# Altium PCB miniBackplane.PcbDoc (part 1 of 24) (continued)
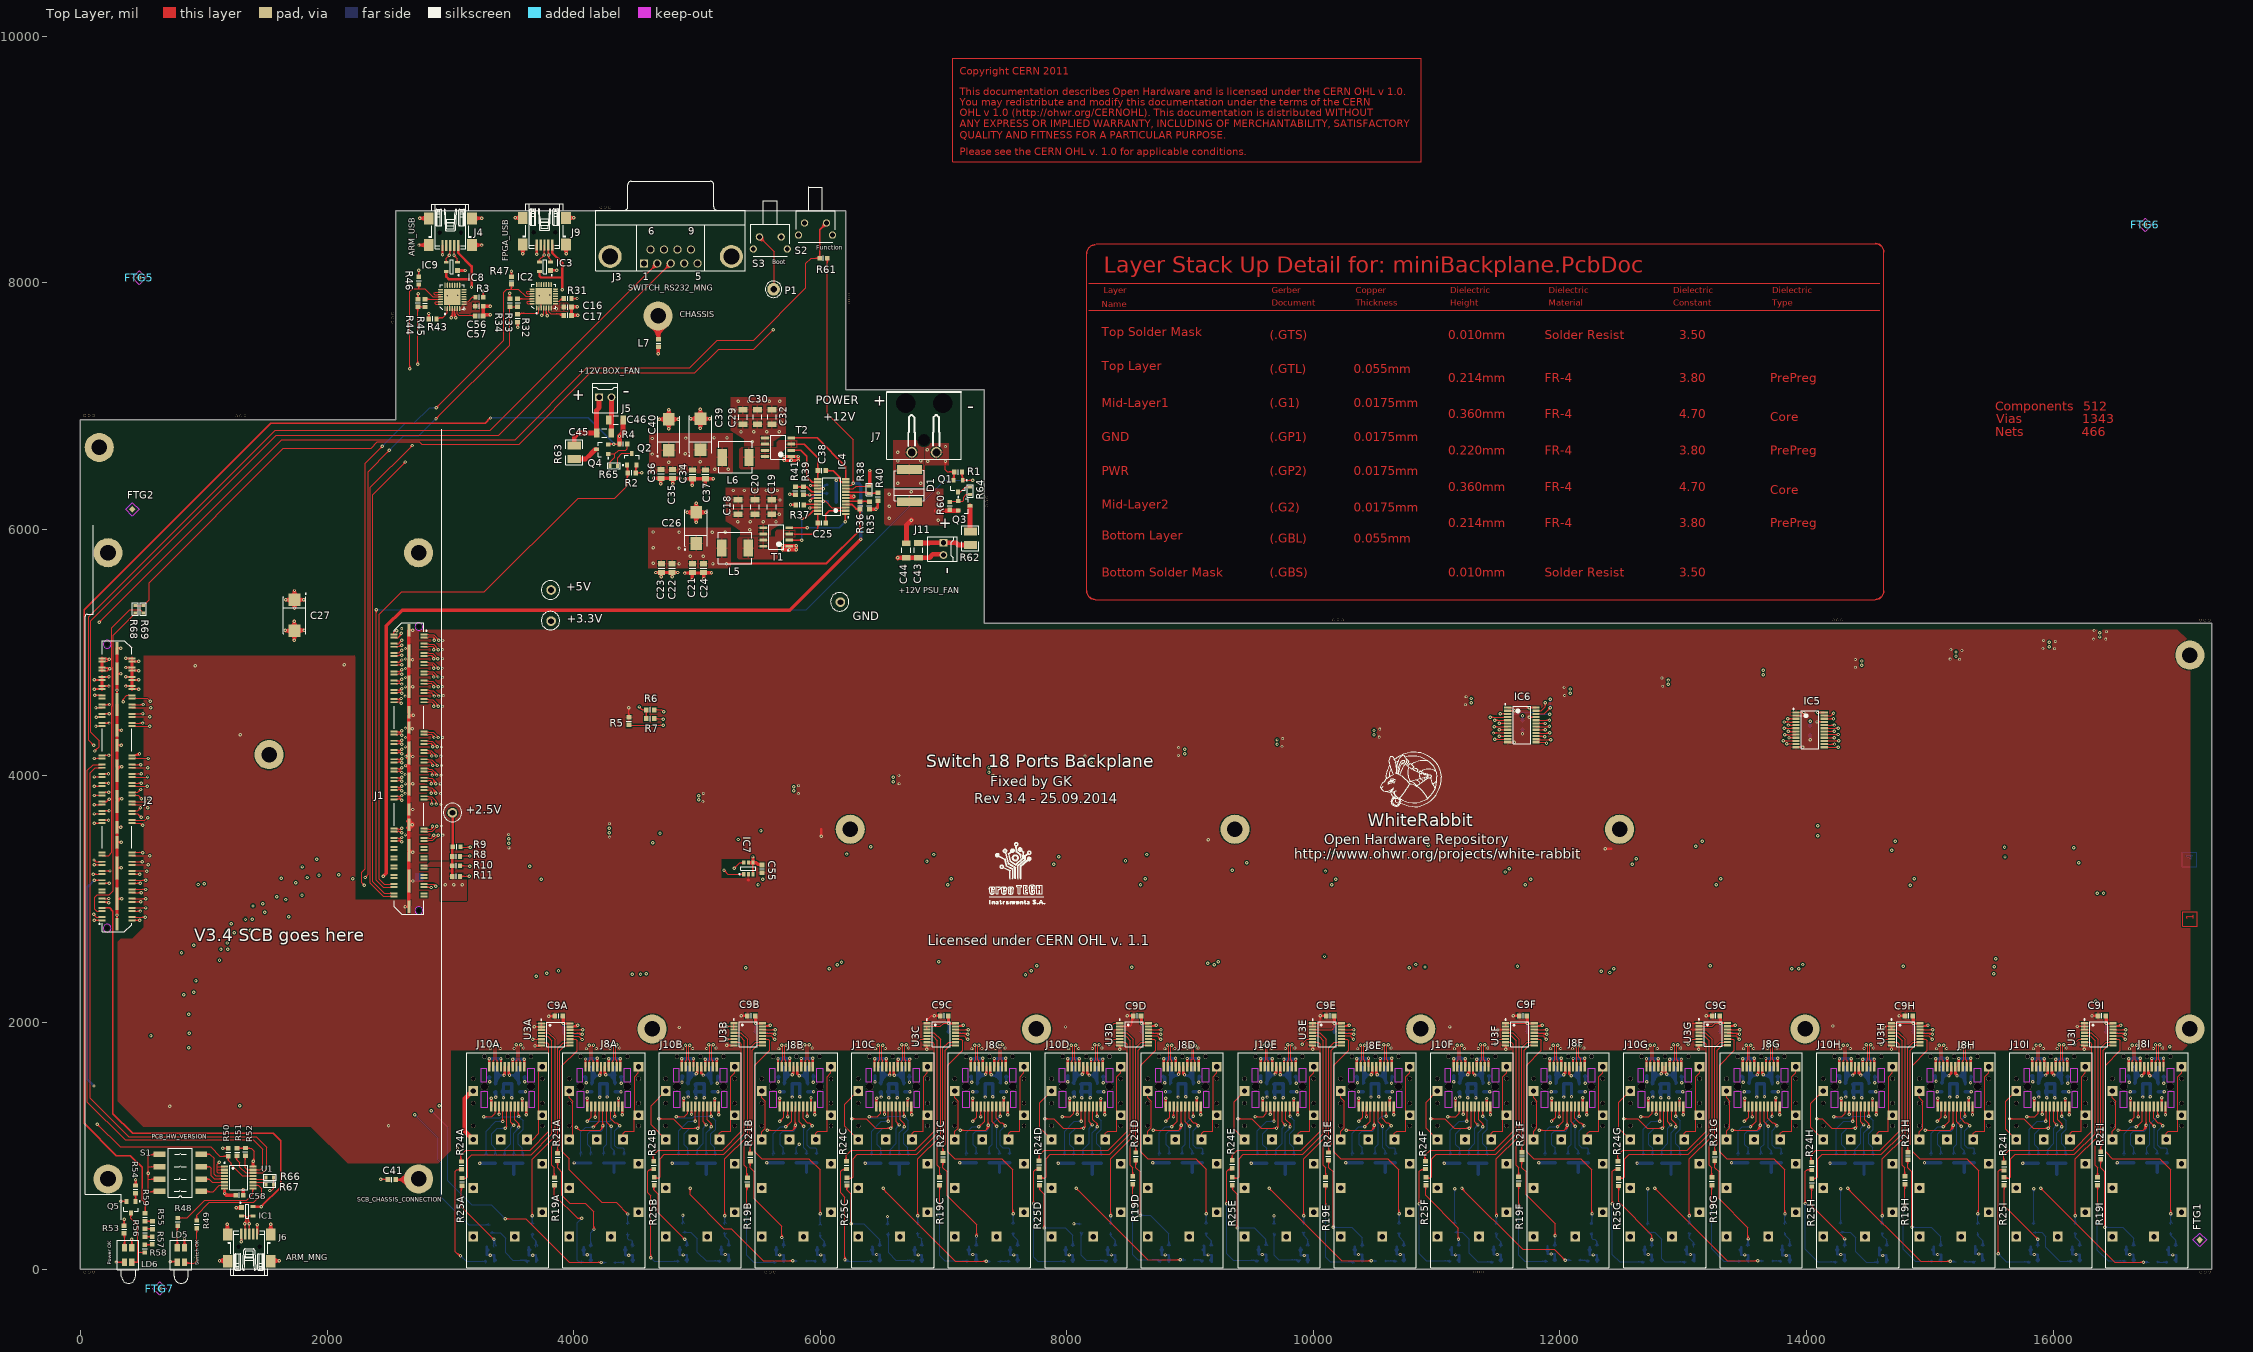
[diagram p0: Top Layer view]
## Components (designator, comment, footprint, x,y, rotation, side; value= is the part's Value field where it differs from the comment)
C1 "100nF" CC1608-0603 14029.09,4368.54 r90 bottom
C2 "100nF" CC1608-0603 11696.57,4412.91 r90 bottom
C3A "100nF" CC1608-0603 4144.67,1676.96 r270 bottom (schematic designator C3)
C3B "100nF" CC1608-0603 5706.13,1678.61 r270 bottom (schematic designator C3)
C3C "100nF" CC1608-0603 7271.13,1678.62 r270 bottom (schematic designator C3)
C3D "100nF" CC1608-0603 8836.13,1678.62 r270 bottom (schematic designator C3)
C3E "100nF" CC1608-0603 10401.13,1678.62 r270 bottom (schematic designator C3)
C3F "100nF" CC1608-0603 11965.69,1678.62 r270 bottom (schematic designator C3)
C3G "100nF" CC1608-0603 13530.69,1678.62 r270 bottom (schematic designator C3)
C3H "100nF" CC1608-0603 15095.69,1678.62 r270 bottom (schematic designator C3)
C3I "100nF" CC1608-0603 16660.69,1678.62 r270 bottom (schematic designator C3)
C4A "10uF" CC2012-0805 4129.94,1573.15 r180 bottom (schematic designator C4)
C4B "10uF" CC2012-0805 5697.26,1574.8 r180 bottom (schematic designator C4)
C4C "10uF" CC2012-0805 7260.25,1574.81 r180 bottom (schematic designator C4)
C4D "10uF" CC2012-0805 8823.24,1574.81 r180 bottom (schematic designator C4)
C4E "10uF" CC2012-0805 10386.24,1574.81 r180 bottom (schematic designator C4)
C4F "10uF" CC2012-0805 11952.73,1574.81 r180 bottom (schematic designator C4)
C4G "10uF" CC2012-0805 13515.72,1574.81 r180 bottom (schematic designator C4)
C4H "10uF" CC2012-0805 15078.72,1578.75 r180 bottom (schematic designator C4)
C4I "10uF" CC2012-0805 16646.71,1578.75 r180 bottom (schematic designator C4)
C5A "100nF" CC1608-0603 4179.67,1436.96 r180 bottom (schematic designator C5)
C5B "100nF" CC1608-0603 5741.13,1438.61 r180 bottom (schematic designator C5)
C5C "100nF" CC1608-0603 7306.13,1438.62 r180 bottom (schematic designator C5)
C5D "100nF" CC1608-0603 8871.13,1438.62 r180 bottom (schematic designator C5)
C5E "100nF" CC1608-0603 10436.13,1438.62 r180 bottom (schematic designator C5)
C5F "100nF" CC1608-0603 12000.69,1438.62 r180 bottom (schematic designator C5)
C5G "100nF" CC1608-0603 13565.69,1438.62 r180 bottom (schematic designator C5)
C5H "100nF" CC1608-0603 15130.69,1438.62 r180 bottom (schematic designator C5)
C5I "100nF" CC1608-0603 16695.69,1438.62 r180 bottom (schematic designator C5)
C6A "100nF" CC1608-0603 4329.67,1671.96 r90 bottom (schematic designator C6)
C6B "100nF" CC1608-0603 5891.13,1673.61 r90 bottom (schematic designator C6)
C6C "100nF" CC1608-0603 7456.13,1673.62 r90 bottom (schematic designator C6)
C6D "100nF" CC1608-0603 9021.13,1673.62 r90 bottom (schematic designator C6)
C6E "100nF" CC1608-0603 10586.13,1673.62 r90 bottom (schematic designator C6)
C6F "100nF" CC1608-0603 12150.69,1673.62 r90 bottom (schematic designator C6)
C6G "100nF" CC1608-0603 13715.69,1673.62 r90 bottom (schematic designator C6)
C6H "100nF" CC1608-0603 15280.69,1673.62 r90 bottom (schematic designator C6)
C6I "100nF" CC1608-0603 16845.69,1673.62 r90 bottom (schematic designator C6)
C7A "10uF" CC1608-0603 4304.67,1436.96 r0 bottom (schematic designator C7)
C7B "10uF" CC1608-0603 5866.13,1438.61 r0 bottom (schematic designator C7)
C7C "10uF" CC1608-0603 7431.13,1438.62 r0 bottom (schematic designator C7)
C7D "10uF" CC1608-0603 8996.13,1438.62 r0 bottom (schematic designator C7)
C7E "10uF" CC1608-0603 10561.13,1438.62 r0 bottom (schematic designator C7)
C7F "10uF" CC1608-0603 12125.69,1438.62 r0 bottom (schematic designator C7)
C7G "10uF" CC1608-0603 13690.69,1438.62 r0 bottom (schematic designator C7)
C7H "10uF" CC1608-0603 15255.69,1438.62 r0 bottom (schematic designator C7)
C7I "10uF" CC1608-0603 16820.69,1438.62 r0 bottom (schematic designator C7)
C8A "10uF" CC2012-0805 4350.41,1573.15 r180 bottom (schematic designator C8)
C8B "10uF" CC2012-0805 5909.86,1578.74 r180 bottom (schematic designator C8)
C8C "10uF" CC2012-0805 7472.85,1574.81 r180 bottom (schematic designator C8)
C8D "10uF" CC2012-0805 9039.78,1574.81 r180 bottom (schematic designator C8)
C8E "10uF" CC2012-0805 10602.77,1574.81 r180 bottom (schematic designator C8)
C8F "10uF" CC2012-0805 12169.27,1578.75 r180 bottom (schematic designator C8)
C8G "10uF" CC2012-0805 13732.26,1574.81 r180 bottom (schematic designator C8)
C8H "10uF" CC2012-0805 15299.19,1574.81 r180 bottom (schematic designator C8)
C8I "10uF" CC2012-0805 16863.24,1574.81 r180 bottom (schematic designator C8)
C9A "100nF" CC1608-0603 3879.67,2051.96 r180 top (schematic designator C9)
C9B "100nF" CC1608-0603 5441.13,2053.61 r180 top (schematic designator C9)
C9C "100nF" CC1608-0603 7006.13,2053.62 r180 top (schematic designator C9)
C9D "100nF" CC1608-0603 8571.13,2053.62 r180 top (schematic designator C9)
C9E "100nF" CC1608-0603 10136.13,2053.62 r180 top (schematic designator C9)
C9F "100nF" CC1608-0603 11700.69,2053.62 r180 top (schematic designator C9)
C9G "100nF" CC1608-0603 13265.69,2053.62 r180 top (schematic designator C9)
C9H "100nF" CC1608-0603 14830.69,2053.62 r180 top (schematic designator C9)
C9I "100nF" CC1608-0603 16395.69,2053.62 r180 top (schematic designator C9)
C10A "100nF" CC1608-0603 3364.67,1671.96 r270 bottom (schematic designator C10)
C10B "100nF" CC1608-0603 4926.13,1673.61 r270 bottom (schematic designator C10)
C10C "100nF" CC1608-0603 6491.13,1673.62 r270 bottom (schematic designator C10)
C10D "100nF" CC1608-0603 8056.13,1673.62 r270 bottom (schematic designator C10)
C10E "100nF" CC1608-0603 9621.13,1673.62 r270 bottom (schematic designator C10)
C10F "100nF" CC1608-0603 11185.02,1681.11 r270 bottom (schematic designator C10)
C10G "100nF" CC1608-0603 12750.69,1673.62 r270 bottom (schematic designator C10)
C10H "100nF" CC1608-0603 14315.69,1673.62 r270 bottom (schematic designator C10)
C10I "100nF" CC1608-0603 15880.69,1673.62 r270 bottom (schematic designator C10)
C11A "10uF" CC2012-0805 3350.41,1569.21 r180 bottom (schematic designator C11)
C11B "10uF" CC2012-0805 4917.73,1574.8 r180 bottom (schematic designator C11)
C11C "10uF" CC2012-0805 6480.72,1574.81 r180 bottom (schematic designator C11)
C11D "10uF" CC2012-0805 8043.72,1574.81 r180 bottom (schematic designator C11)
C11E "10uF" CC2012-0805 9610.65,1574.81 r180 bottom (schematic designator C11)
C11F "10uF" CC2012-0805 11173.2,1582.68 r180 bottom (schematic designator C11)
C11G "10uF" CC2012-0805 12740.13,1574.81 r180 bottom (schematic designator C11)
C11H "10uF" CC2012-0805 14299.19,1578.75 r180 bottom (schematic designator C11)
C11I "10uF" CC2012-0805 15867.18,1578.75 r180 bottom (schematic designator C11)
C12A "100nF" CC1608-0603 3394.67,1436.96 r180 bottom (schematic designator C12)
C12B "100nF" CC1608-0603 4956.13,1438.61 r180 bottom (schematic designator C12)
C12C "100nF" CC1608-0603 6521.13,1438.62 r180 bottom (schematic designator C12)
C12D "100nF" CC1608-0603 8086.13,1438.62 r180 bottom (schematic designator C12)
C12E "100nF" CC1608-0603 9651.13,1438.62 r180 bottom (schematic designator C12)
C12F "100nF" CC1608-0603 11215.69,1438.62 r180 bottom (schematic designator C12)
C12G "100nF" CC1608-0603 12780.69,1438.62 r180 bottom (schematic designator C12)
C12H "100nF" CC1608-0603 14345.69,1438.62 r180 bottom (schematic designator C12)
C12I "100nF" CC1608-0603 15910.69,1438.62 r180 bottom (schematic designator C12)
C13A "100nF" CC1608-0603 3555.13,1671.96 r90 bottom (schematic designator C13)
C13B "100nF" CC1608-0603 5116.13,1668.61 r90 bottom (schematic designator C13)
C13C "100nF" CC1608-0603 6678.15,1675.2 r90 bottom (schematic designator C13)
C13D "100nF" CC1608-0603 8246.13,1668.62 r90 bottom (schematic designator C13)
C13E "100nF" CC1608-0603 9811.13,1668.62 r90 bottom (schematic designator C13)
C13F "100nF" CC1608-0603 11373.99,1677.17 r90 bottom (schematic designator C13)
C13G "100nF" CC1608-0603 12940.69,1668.62 r90 bottom (schematic designator C13)
C13H "100nF" CC1608-0603 14505.69,1668.62 r90 bottom (schematic designator C13)
C13I "100nF" CC1608-0603 16070.69,1668.62 r90 bottom (schematic designator C13)
C14A "10uF" CC1608-0603 3524.67,1436.96 r0 bottom (schematic designator C14)
C14B "10uF" CC1608-0603 5086.13,1438.61 r0 bottom (schematic designator C14)
C14C "10uF" CC1608-0603 6651.13,1438.62 r0 bottom (schematic designator C14)
C14D "10uF" CC1608-0603 8216.13,1438.62 r0 bottom (schematic designator C14)
C14E "10uF" CC1608-0603 9781.13,1438.62 r0 bottom (schematic designator C14)
C14F "10uF" CC1608-0603 11345.69,1438.62 r0 bottom (schematic designator C14)
C14G "10uF" CC1608-0603 12910.69,1438.62 r0 bottom (schematic designator C14)
C14H "10uF" CC1608-0603 14475.69,1438.62 r0 bottom (schematic designator C14)
C14I "10uF" CC1608-0603 16040.69,1438.62 r0 bottom (schematic designator C14)
C15A "10uF" CC2012-0805 3566.94,1569.21 r180 bottom (schematic designator C15)
C15B "10uF" CC2012-0805 5134.27,1574.8 r180 bottom (schematic designator C15)
C15C "10uF" CC2012-0805 6687.01,1574.8 r180 bottom (schematic designator C15)
C15D "10uF" CC2012-0805 8260.25,1574.81 r180 bottom (schematic designator C15)
C15E "10uF" CC2012-0805 9823.24,1574.81 r180 bottom (schematic designator C15)
C15F "10uF" CC2012-0805 11389.74,1582.68 r180 bottom (schematic designator C15)
C15G "10uF" CC2012-0805 12952.73,1574.81 r180 bottom (schematic designator C15)
C15H "10uF" CC2012-0805 14519.66,1574.81 r180 bottom (schematic designator C15)
C15I "10uF" CC2012-0805 16083.72,1574.81 r180 bottom (schematic designator C15)
C16 "1uF" CC1608-0603 3951.95,7802.21 r180 top
C17 "100nF" CC1608-0603 3951.95,7735.28 r0 top
C18 "22uF 25V" CC3216-1206 5334.37,6181.39 r90 top
C19 "22uF 25V" CC3216-1206 5606.7,6180.94 r90 top
C20 "22uF 25V" CC3216-1206 5470.54,6180.94 r90 top
C21 "22uF 10V" CC2012-0805 4963.83,5685.32 r270 top
C22 "22uF 10V" CC2012-0805 4798.94,5685.32 r270 top
C23 "22uF 10V" CC2012-0805 4712.32,5685.32 r270 top
C24 "22uF 10V" CC2012-0805 5054.2,5685.32 r270 top
C25 "100nF" CC1608-0603 6013.83,6050.94 r0 top
C26 "220uF 10V" D 4993.83,6010.94 r270 top
C27 "220uF 10V" D 1736.22,5303.15 r90 top
C28 "1uF" CC1608-0603 6098.83,6220.94 r180 bottom
C29 "22uF 25V" CC3216-1206 5373.74,6909.73 r90 top
C30 "22uF 25V" CC3216-1206 5491.28,6910.94 r90 top
C31 "4.7uF" CC1608-0603 6098.83,6290.94 r0 bottom
C32 "22uF 25V" CC3216-1206 5608.83,6910.94 r90 top
C33 "1uF" CC1608-0603 5834.2,6282.87 r0 bottom
C34 "22uF" CC2012-0805 4963.83,6445.94 r90 top
C35 "22uF" CC2012-0805 4802.87,6449.1 r270 top
C36 "22uF" CC2012-0805 4708.39,6449.1 r270 top
C37 "22uF" CC2012-0805 5068.83,6445.94 r270 top
C38 "100nF" CC1608-0603 6013.83,6475.94 r0 top
C39 "220uF 10V" D 5028.83,6770.94 r270 top
C40 "220uF 10V" D 4771.38,6768 r270 top
C41 "o.c." CC1608-0603 2526,725 r180 top
C43 "22uF 25V" CC3216-1206 6798,5830 r270 top
C44 "22uF 25V" CC3216-1206 6699,5829 r270 top
C45 "22uF 25V" CC3216-1206 4248,6782 r0 top
C46 "22uF 25V" CC3216-1206 4343,6886 r180 top
C55 "100nF" CC1608-0603 5527.8,3245.91 r90 top
C56 "1uF" CC1608-0603 3235,7809 r180 top
C57 "100nF" CC1608-0603 3234,7730 r0 top
C58 "100nF" CC1608-0603 1290,599 r180 top
D1 "SK106-TP" DO-214AB/SMB-MCC 6724.13,6354.61 r270 top
FTG1 "Use only in PCB" FIDUCIAL_TOP_S100-200#1 17188.98,236.22 r90 top
FTG2 "Use only in PCB" FIDUCIAL_TOP_S100-200#1 421.26,6161.42 r90 top
FTG3 "Use only in PCB" FIDUCIAL_TOP_S100-200#1 133,156 r90 bottom
FTG4 "Use only in PCB" FIDUCIAL_TOP_S100-200#1 16354.33,4539.37 r90 bottom
FTG5 "Use only in PCB" FIDUCIAL_TOP_S100-200#2 479,8040 r90 top
FTG6 "Use only in PCB" FIDUCIAL_TOP_S100-200#1 16746,8469 r90 top
FTG7 "Use only in PCB" FIDUCIAL_TOP_S100-200#1 642,-158 r90 top
FTG8 "Use only in PCB" FIDUCIAL_TOP_S100-200#1 885,-154 r90 bottom
FTG9 "Use only in PCB" FIDUCIAL_TOP_S100-200#1 16748,8464 r90 bottom
FTG10 "Use only in PCB" FIDUCIAL_TOP_S100-200#1 478,8039 r90 bottom
IC1 "PRTR5V0U2X" SOT190P230X110-4N 1353,469 r0 top
IC2 "CP2102-GM" QFN50P500X500X100-29N-S335 3758.66,7889.86 r90 top
IC3 "PRTR5V0U2X" SOT190P230X110-4N 3768.66,8129.86 r180 top
IC4 "TPS53126PW" SOP65P640X120-24N 6093.83,6265.94 r180 top
IC5 "PCA9548A" SOP65P640X120-24N 14029.09,4373.54 r0 top
IC6 "PCA9548A" SOP65P640X120-24N 11691.57,4412.91 r0 top
IC7 "TMP100" SOT23A-6L 5417.57,3249.85 r90 top
IC8 "CP2102-GM" QFN50P500X500X100-29N-S335 3016,7885 r90 top
IC9 "PRTR5V0U2X" SOT190P230X110-4N 3012,8129 r180 top
J1 "QTS-048-02-L-D-DP" QTS-048-XX-X-D-DP-A 2664.55,4059.99 r270 top locked
J2 "QTS-048-02-L-D-DP" QTS-048-XX-X-D-DP-A 296.44,3916.29 r90 top locked
J3 "D Connector 9" DSUB1.385-2H9 4788,8587 r0 top locked
J4 "ARM_DBG" TYCO_1734035-1 3000,8301.92 r180 top locked
J5 "CON2_THT2.54mm" Wurth_619_0xx 4207,7072 r0 top
J6 "FPGA UART" TYCO_1734035-1 1369.09,283.99 r0 top locked
J7 "Power" TYCO_794120_1 6692.64,7023.91 r0 top
J8A "SFP Module socket" SFP_SINGLE_PORT 3965.35,1444.37 r0 top locked (schematic designator J8)
J8B "SFP Module socket" SFP_SINGLE_PORT 5526.81,1444.37 r0 top locked (schematic designator J8)
J8C "SFP Module socket" SFP_SINGLE_PORT 7091.81,1444.37 r0 top locked (schematic designator J8)
J8D "SFP Module socket" SFP_SINGLE_PORT 8656.81,1444.37 r0 top locked (schematic designator J8)
J8E "SFP Module socket" SFP_SINGLE_PORT 10221.81,1444.37 r0 top locked (schematic designator J8)
J8F "SFP Module socket" SFP_SINGLE_PORT 11786.38,1444.37 r0 top locked (schematic designator J8)
J8G "SFP Module socket" SFP_SINGLE_PORT 13351.38,1444.37 r0 top locked (schematic designator J8)
J8H "SFP Module socket" SFP_SINGLE_PORT 14916.38,1444.37 r0 top locked (schematic designator J8)
J8I "SFP Module socket" SFP_SINGLE_PORT 16481.38,1444.37 r0 top locked (schematic designator J8)
J9 "USB_TEST" TYCO_1734035-1 3763.86,8305.92 r180 top locked
J10A "SFP Module socket" SFP_SINGLE_PORT 3185.35,1444.37 r0 top locked (schematic designator J10)
J10B "SFP Module socket" SFP_SINGLE_PORT 4746.81,1444.37 r0 top locked (schematic designator J10)
J10C "SFP Module socket" SFP_SINGLE_PORT 6309.31,1444.37 r0 top locked (schematic designator J10)
J10D "SFP Module socket" SFP_SINGLE_PORT 7876.81,1444.37 r0 top locked (schematic designator J10)
J10E "SFP Module socket" SFP_SINGLE_PORT 9441.81,1444.37 r0 top locked (schematic designator J10)
J10F "SFP Module socket" SFP_SINGLE_PORT 11006.38,1444.37 r0 top locked (schematic designator J10)
J10G "SFP Module socket" SFP_SINGLE_PORT 12571.38,1444.37 r0 top locked (schematic designator J10)
J10H "SFP Module socket" SFP_SINGLE_PORT 14136.38,1444.37 r0 top locked (schematic designator J10)
J10I "SFP Module socket" SFP_SINGLE_PORT 15701.38,1444.37 r0 top locked (schematic designator J10)
J11 "CON2_THT2.54mm" Wurth_619_0xx 7000,5891.59 r270 top
L1A "220R@100MHz Ferrite Bead" 0603#1 4179.67,1501.96 r0 bottom (schematic designator L1)
L1B "220R@100MHz Ferrite Bead" 0603#1 5741.13,1503.61 r0 bottom (schematic designator L1)
L1C "220R@100MHz Ferrite Bead" 0603#1 7306.13,1503.62 r0 bottom (schematic designator L1)
L1D "220R@100MHz Ferrite Bead" 0603#1 8871.13,1503.62 r0 bottom (schematic designator L1)
L1E "220R@100MHz Ferrite Bead" 0603#1 10436.13,1503.62 r0 bottom (schematic designator L1)
L1F "220R@100MHz Ferrite Bead" 0603#1 12000.69,1503.62 r0 bottom (schematic designator L1)
L1G "220R@100MHz Ferrite Bead" 0603#1 13565.69,1503.62 r0 bottom (schematic designator L1)
L1H "220R@100MHz Ferrite Bead" 0603#1 15130.69,1503.62 r0 bottom (schematic designator L1)
L1I "220R@100MHz Ferrite Bead" 0603#1 16695.69,1503.62 r0 bottom (schematic designator L1)
L2A "220R@100MHz Ferrite Bead" 0603#1 4304.67,1501.96 r180 bottom (schematic designator L2)
L2B "220R@100MHz Ferrite Bead" 0603#1 5866.13,1503.61 r180 bottom (schematic designator L2)
L2C "220R@100MHz Ferrite Bead" 0603#1 7431.13,1503.62 r180 bottom (schematic designator L2)
L2D "220R@100MHz Ferrite Bead" 0603#1 8996.13,1503.62 r180 bottom (schematic designator L2)
L2E "220R@100MHz Ferrite Bead" 0603#1 10561.13,1503.62 r180 bottom (schematic designator L2)
L2F "220R@100MHz Ferrite Bead" 0603#1 12125.69,1503.62 r180 bottom (schematic designator L2)
L2G "220R@100MHz Ferrite Bead" 0603#1 13690.69,1503.62 r180 bottom (schematic designator L2)
L2H "220R@100MHz Ferrite Bead" 0603#1 15255.69,1503.62 r180 bottom (schematic designator L2)
L2I "220R@100MHz Ferrite Bead" 0603#1 16820.69,1503.62 r180 bottom (schematic designator L2)
L3A "220R@100MHz Ferrite Bead" 0603#1 3397.65,1502.28 r0 bottom (schematic designator L3)
L3B "220R@100MHz Ferrite Bead" 0603#1 4956.13,1503.61 r0 bottom (schematic designator L3)
L3C "220R@100MHz Ferrite Bead" 0603#1 6521.13,1503.62 r0 bottom (schematic designator L3)
L3D "220R@100MHz Ferrite Bead" 0603#1 8086.13,1503.62 r0 bottom (schematic designator L3)
L3E "220R@100MHz Ferrite Bead" 0603#1 9651.13,1503.62 r0 bottom (schematic designator L3)
L3F "220R@100MHz Ferrite Bead" 0603#1 11215.69,1503.62 r0 bottom (schematic designator L3)
L3G "220R@100MHz Ferrite Bead" 0603#1 12780.69,1503.62 r0 bottom (schematic designator L3)
L3H "220R@100MHz Ferrite Bead" 0603#1 14345.69,1503.62 r0 bottom (schematic designator L3)
L3I "220R@100MHz Ferrite Bead" 0603#1 15910.69,1503.62 r0 bottom (schematic designator L3)
L4A "220R@100MHz Ferrite Bead" 0603#1 3527.57,1502.28 r180 bottom (schematic designator L4)
L4B "220R@100MHz Ferrite Bead" 0603#1 5086.13,1503.61 r180 bottom (schematic designator L4)
L4C "220R@100MHz Ferrite Bead" 0603#1 6647.64,1504.92 r180 bottom (schematic designator L4)
L4D "220R@100MHz Ferrite Bead" 0603#1 8216.13,1503.62 r180 bottom (schematic designator L4)
L4E "220R@100MHz Ferrite Bead" 0603#1 9781.13,1503.62 r180 bottom (schematic designator L4)
L4F "220R@100MHz Ferrite Bead" 0603#1 11345.69,1503.62 r180 bottom (schematic designator L4)
L4G "220R@100MHz Ferrite Bead" 0603#1 12910.69,1503.62 r180 bottom (schematic designator L4)
L4H "220R@100MHz Ferrite Bead" 0603#1 14475.69,1503.62 r180 bottom (schematic designator L4)
L4I "220R@100MHz Ferrite Bead" 0603#1 16040.69,1503.62 r180 bottom (schematic designator L4)
L5 "IHLP2525CZER1R5M01" IHLP2525 5309.2,5847.87 r180 top
L6 "IHLP2525CZER1R5M01" IHLP2525 5314.2,6582.87 r180 top
L7 "220R@100MHz Ferrite Bead" 0603#1 4688.19,7511 r90 top
LD1A "Green/Yellow" LED_DIALIGHT_591-3x0x-0xx 4448.83,112.52 r90 bottom locked (schematic designator LD1)
LD1B "Green/Yellow" LED_DIALIGHT_591-3x0x-0xx 6004.35,114.17 r90 bottom locked (schematic designator LD1)
LD1C "Green/Yellow" LED_DIALIGHT_591-3x0x-0xx 7571.28,114.18 r90 bottom locked (schematic designator LD1)
LD1D "Green/Yellow" LED_DIALIGHT_591-3x0x-0xx 9142.14,114.18 r90 bottom locked (schematic designator LD1)
LD1E "Green/Yellow" LED_DIALIGHT_591-3x0x-0xx 10705.13,114.18 r90 bottom locked (schematic designator LD1)
LD1F "Green/Yellow" LED_DIALIGHT_591-3x0x-0xx 12271.63,114.18 r90 bottom locked (schematic designator LD1)
LD1G "Green/Yellow" LED_DIALIGHT_591-3x0x-0xx 13834.62,114.18 r90 bottom locked (schematic designator LD1)
LD1H "Green/Yellow" LED_DIALIGHT_591-3x0x-0xx 15401.55,114.18 r90 bottom locked (schematic designator LD1)
LD1I "Green/Yellow" LED_DIALIGHT_591-3x0x-0xx 16965.61,114.18 r90 bottom locked (schematic designator LD1)
LD2A "Green/Yellow" LED_DIALIGHT_591-3x0x-0xx 4110.25,112.52 r90 bottom locked (schematic designator LD2)
LD2B "Green/Yellow" LED_DIALIGHT_591-3x0x-0xx 5673.64,114.17 r90 bottom locked (schematic designator LD2)
LD2C "Green/Yellow" LED_DIALIGHT_591-3x0x-0xx 7236.63,114.18 r90 bottom locked (schematic designator LD2)
LD2D "Green/Yellow" LED_DIALIGHT_591-3x0x-0xx 8799.62,114.18 r90 bottom locked (schematic designator LD2)
LD2E "Green/Yellow" LED_DIALIGHT_591-3x0x-0xx 10366.55,114.18 r90 bottom locked (schematic designator LD2)
LD2F "Green/Yellow" LED_DIALIGHT_591-3x0x-0xx 11929.11,114.18 r90 bottom locked (schematic designator LD2)
LD2G "Green/Yellow" LED_DIALIGHT_591-3x0x-0xx 13496.04,114.18 r90 bottom locked (schematic designator LD2)
LD2H "Green/Yellow" LED_DIALIGHT_591-3x0x-0xx 15059.03,114.18 r90 bottom locked (schematic designator LD2)
LD2I "Green/Yellow" LED_DIALIGHT_591-3x0x-0xx 16623.09,114.18 r90 bottom locked (schematic designator LD2)
LD3A "Green/Yellow" LED_DIALIGHT_591-3x0x-0xx 3669.31,112.52 r90 bottom locked (schematic designator LD3)
LD3B "Green/Yellow" LED_DIALIGHT_591-3x0x-0xx 5228.76,114.17 r90 bottom locked (schematic designator LD3)
LD3C "Green/Yellow" LED_DIALIGHT_591-3x0x-0xx 6795.68,114.18 r90 bottom locked (schematic designator LD3)
LD3D "Green/Yellow" LED_DIALIGHT_591-3x0x-0xx 8362.61,114.18 r90 bottom locked (schematic designator LD3)
LD3E "Green/Yellow" LED_DIALIGHT_591-3x0x-0xx 9925.61,114.18 r90 bottom locked (schematic designator LD3)
LD3F "Green/Yellow" LED_DIALIGHT_591-3x0x-0xx 11492.1,114.18 r90 bottom locked (schematic designator LD3)
LD3G "Green/Yellow" LED_DIALIGHT_591-3x0x-0xx 13055.09,114.18 r90 bottom locked (schematic designator LD3)
LD3H "Green/Yellow" LED_DIALIGHT_591-3x0x-0xx 14622.02,114.18 r90 bottom locked (schematic designator LD3)
LD3I "Green/Yellow" LED_DIALIGHT_591-3x0x-0xx 16186.08,114.18 r90 bottom locked (schematic designator LD3)
LD4A "Green/Yellow" LED_DIALIGHT_591-3x0x-0xx 3330.72,112.52 r90 bottom locked (schematic designator LD4)
LD4B "Green/Yellow" LED_DIALIGHT_591-3x0x-0xx 4890.17,114.17 r90 bottom locked (schematic designator LD4)
LD4C "Green/Yellow" LED_DIALIGHT_591-3x0x-0xx 6453.17,114.18 r90 bottom locked (schematic designator LD4)
LD4D "Green/Yellow" LED_DIALIGHT_591-3x0x-0xx 8020.09,114.18 r90 bottom locked (schematic designator LD4)
LD4E "Green/Yellow" LED_DIALIGHT_591-3x0x-0xx 9587.02,114.18 r90 bottom locked (schematic designator LD4)
LD4F "Green/Yellow" LED_DIALIGHT_591-3x0x-0xx 11149.58,114.18 r90 bottom locked (schematic designator LD4)
LD4G "Green/Yellow" LED_DIALIGHT_591-3x0x-0xx 12716.51,114.18 r90 bottom locked (schematic designator LD4)
LD4H "Green/Yellow" LED_DIALIGHT_591-3x0x-0xx 14279.5,114.18 r90 bottom locked (schematic designator LD4)
LD4I "Green/Yellow" LED_DIALIGHT_591-3x0x-0xx 15847.5,114.18 r90 bottom locked (schematic designator LD4)
LD5 "Red" LED_DIALIGHT_591-3x0x-0xx 814.29,114.02 r90 top
LD6 "Red" LED_DIALIGHT_591-3x0x-0xx 387,114.02 r90 top
P1 "Boot_Buttom" PIN1-RT-01T-1.0B(LF) 5622,7947 r0 top
Q1 "DMN2020LSN-7" SC-59-3 7119,6351 r270 top
Q2 "DMN2020LSN-7" SC-59-3 4472,6568 r90 top
Q3 "DMP2066LSN-7" SC-59-3 7167.41,6190.81 r0 top
Q4 "DMP2066LSN-7" SC-59-3 4234,6649 r180 top
Q5 "DMN2020LSN-7" SC-59-3 410,502 r270 top
R1 "4K7" 0603#1 7119,6464 r180 top
R2 "4K7" 0603#1 4472.2,6457.42 r0 top
R3 "4K7" 0603#1 3236,7882 r180 top
R4 "4K7" 0603#1 4404,6692 r0 top
R5 "4K7" 0603#1 4448.82,4444.88 r90 top
R6 "4K7" 0603#1 4622.05,4535.43 r0 top
R7 "4K7" 0603#1 4622.05,4464.57 r0 top
R8 "4K7" 0603#1 3047.24,3346.46 r180 top
R9 "4K7" 0603#1 3051.18,3425.2 r0 top
R10 "4K7" 0603#1 3047.24,3271.65 r180 top
R11 "4K7" 0603#1 3047.24,3185.04 r0 top
R12A "4K7" 0603#1 4244.67,891.96 r270 bottom (schematic designator R12)
R12B "4K7" 0603#1 5806.13,893.61 r270 bottom (schematic designator R12)
R12C "4K7" 0603#1 7371.13,893.62 r270 bottom (schematic designator R12)
R12D "4K7" 0603#1 8936.13,893.62 r270 bottom (schematic designator R12)
R12E "4K7" 0603#1 10501.13,893.62 r270 bottom (schematic designator R12)
R12F "4K7" 0603#1 12065.69,893.62 r270 bottom (schematic designator R12)
R12G "4K7" 0603#1 13630.69,893.62 r270 bottom (schematic designator R12)
R12H "4K7" 0603#1 15195.69,893.62 r270 bottom (schematic designator R12)
R12I "4K7" 0603#1 16760.69,893.62 r270 bottom (schematic designator R12)
R13A "4K7" 0603#1 4327.85,891.96 r270 bottom (schematic designator R13)
R13B "4K7" 0603#1 5889.31,893.61 r270 bottom (schematic designator R13)
R13C "4K7" 0603#1 7454.31,893.62 r270 bottom (schematic designator R13)
R13D "4K7" 0603#1 9019.31,893.62 r270 bottom (schematic designator R13)
R13E "4K7" 0603#1 10584.31,893.62 r270 bottom (schematic designator R13)
R13F "4K7" 0603#1 12148.88,893.62 r270 bottom (schematic designator R13)
R13G "4K7" 0603#1 13713.88,893.62 r270 bottom (schematic designator R13)
R13H "4K7" 0603#1 15278.88,893.62 r270 bottom (schematic designator R13)
R13I "4K7" 0603#1 16843.88,893.62 r270 bottom (schematic designator R13)
R14A "0R" 0603#1 4409.67,891.96 r90 bottom (schematic designator R14)
R14B "0R" 0603#1 5971.13,893.61 r90 bottom (schematic designator R14)
R14C "0R" 0603#1 7536.13,893.62 r90 bottom (schematic designator R14)
R14D "0R" 0603#1 9101.13,893.62 r90 bottom (schematic designator R14)
R14E "0R" 0603#1 10666.13,893.62 r90 bottom (schematic designator R14)
R14F "0R" 0603#1 12230.69,893.62 r90 bottom (schematic designator R14)
R14G "0R" 0603#1 13795.69,893.62 r90 bottom (schematic designator R14)
R14H "0R" 0603#1 15360.69,893.62 r90 bottom (schematic designator R14)
R14I "0R" 0603#1 16925.69,893.62 r90 bottom (schematic designator R14)
R15A "4K7" 0603#1 4059.67,891.96 r270 bottom (schematic designator R15)
R15B "4K7" 0603#1 5621.13,893.61 r270 bottom (schematic designator R15)
R15C "4K7" 0603#1 7186.13,893.62 r270 bottom (schematic designator R15)
R15D "4K7" 0603#1 8751.13,893.62 r270 bottom (schematic designator R15)
R15E "4K7" 0603#1 10316.13,893.62 r270 bottom (schematic designator R15)
R15F "4K7" 0603#1 11880.69,893.62 r270 bottom (schematic designator R15)
R15G "4K7" 0603#1 13445.69,893.62 r270 bottom (schematic designator R15)
R15H "4K7" 0603#1 15010.69,893.62 r270 bottom (schematic designator R15)
R15I "4K7" 0603#1 16575.69,893.62 r270 bottom (schematic designator R15)
R16A "4K7" 0603#1 4139.67,891.96 r270 bottom (schematic designator R16)
R16B "4K7" 0603#1 5701.13,893.61 r270 bottom (schematic designator R16)
R16C "4K7" 0603#1 7266.13,893.62 r270 bottom (schematic designator R16)
R16D "4K7" 0603#1 8831.13,893.62 r270 bottom (schematic designator R16)
R16E "4K7" 0603#1 10396.13,893.62 r270 bottom (schematic designator R16)
R16F "4K7" 0603#1 11960.69,893.62 r270 bottom (schematic designator R16)
R16G "4K7" 0603#1 13525.69,893.62 r270 bottom (schematic designator R16)
R16H "4K7" 0603#1 15090.69,893.62 r270 bottom (schematic designator R16)
R16I "4K7" 0603#1 16655.69,893.62 r270 bottom (schematic designator R16)
R17A "49R9" 0603#1 4291.35,49.53 r0 bottom (schematic designator R17)
R17B "49R9" 0603#1 5846.87,66.93 r0 bottom (schematic designator R17)
R17C "49R9" 0603#1 7413.8,63 r0 bottom (schematic designator R17)
R17D "49R9" 0603#1 8988.6,74.81 r0 bottom (schematic designator R17)
R17E "49R9" 0603#1 10543.72,66.94 r0 bottom (schematic designator R17)
R17F "49R9" 0603#1 12118.09,74.81 r0 bottom (schematic designator R17)
R17G "49R9" 0603#1 13681.08,66.94 r0 bottom (schematic designator R17)
R17H "49R9" 0603#1 15240.13,63 r0 bottom (schematic designator R17)
R17I "49R9" 0603#1 16804.19,59.06 r0 bottom (schematic designator R17)
R18A "133R" 0603#1 4437.02,325.12 r270 bottom (schematic designator R18)
R18B "133R" 0603#1 6000.41,314.96 r270 bottom (schematic designator R18)
R18C "133R" 0603#1 7567.34,330.72 r270 bottom (schematic designator R18)
R18D "133R" 0603#1 9130.33,330.72 r270 bottom (schematic designator R18)
R18E "133R" 0603#1 10693.32,330.72 r270 bottom (schematic designator R18)
R18F "133R" 0603#1 12251.94,326.78 r270 bottom (schematic designator R18)
R18G "133R" 0603#1 13822.81,330.72 r270 bottom (schematic designator R18)
R18H "133R" 0603#1 15389.74,326.78 r270 bottom (schematic designator R18)
R18I "133R" 0603#1 16953.8,330.72 r270 bottom (schematic designator R18)
R19A "133R" 0603#1 3846.47,710.94 r270 top (schematic designator R19)
R19B "133R" 0603#1 5409.86,708.66 r270 top (schematic designator R19)
R19C "133R" 0603#1 6968.91,712.61 r270 top (schematic designator R19)
R19D "133R" 0603#1 8535.84,720.48 r270 top (schematic designator R19)
R19E "133R" 0603#1 10098.83,712.61 r270 top (schematic designator R19)
R19F "133R" 0603#1 11665.33,716.54 r270 top (schematic designator R19)
R19G "133R" 0603#1 13232.26,712.61 r270 top (schematic designator R19)
R19H "133R" 0603#1 14799.19,720.48 r270 top (schematic designator R19)
R19I "133R" 0603#1 16359.31,712.61 r270 top (schematic designator R19)
R20A "4K7" 0603#1 3950.72,1913.9 r180 bottom (schematic designator R20)
R20B "4K7" 0603#1 5507.18,1915.55 r180 bottom (schematic designator R20)
R20C "4K7" 0603#1 7072.18,1915.56 r180 bottom (schematic designator R20)
R20D "4K7" 0603#1 8637.18,1915.56 r180 bottom (schematic designator R20)
R20E "4K7" 0603#1 10202.18,1915.56 r180 bottom (schematic designator R20)
R20F "4K7" 0603#1 11766.75,1915.56 r180 bottom (schematic designator R20)
R20G "4K7" 0603#1 13331.75,1915.56 r180 bottom (schematic designator R20)
R20H "4K7" 0603#1 14896.75,1915.56 r180 bottom (schematic designator R20)
R20I "4K7" 0603#1 16461.75,1915.56 r180 bottom (schematic designator R20)
R21A "133R" 0603#1 3870.09,907.8 r270 top (schematic designator R21)
R21B "133R" 0603#1 5433.48,905.51 r270 top (schematic designator R21)
R21C "133R" 0603#1 6996.47,909.46 r270 top (schematic designator R21)
R21D "133R" 0603#1 8559.46,913.39 r270 top (schematic designator R21)
R21E "133R" 0603#1 10122.46,913.39 r270 top (schematic designator R21)
R21F "133R" 0603#1 11692.89,917.33 r270 top (schematic designator R21)
R21G "133R" 0603#1 13255.88,909.46 r270 top (schematic designator R21)
R21H "133R" 0603#1 14822.81,917.33 r270 top (schematic designator R21)
R21I "133R" 0603#1 16386.87,921.27 r270 top (schematic designator R21)
R22A "49R9" 0603#1 3322.85,329.05 r270 bottom (schematic designator R22)
R22B "49R9" 0603#1 4886.24,330.71 r270 bottom (schematic designator R22)
R22C "49R9" 0603#1 6547.24,322.83 r270 bottom (schematic designator R22)
R22D "49R9" 0603#1 8118.11,334.65 r270 bottom (schematic designator R22)
R22E "49R9" 0603#1 9681.1,326.77 r270 bottom (schematic designator R22)
R22F "49R9" 0603#1 11145.65,330.72 r270 bottom (schematic designator R22)
R22G "49R9" 0603#1 12712.57,322.84 r270 bottom (schematic designator R22)
R22H "49R9" 0603#1 14275.57,330.72 r270 bottom (schematic designator R22)
R22I "49R9" 0603#1 15839.62,326.78 r270 bottom (schematic designator R22)
R23A "133R" 0603#1 3665.37,325.12 r270 bottom (schematic designator R23)
R23B "133R" 0603#1 5224.82,330.71 r270 bottom (schematic designator R23)
R23C "133R" 0603#1 6791.75,330.72 r270 bottom (schematic designator R23)
R23D "133R" 0603#1 8354.74,326.78 r270 bottom (schematic designator R23)
R23E "133R" 0603#1 9917.73,338.59 r270 bottom (schematic designator R23)
R23F "133R" 0603#1 11484.23,326.78 r270 bottom (schematic designator R23)
R23G "133R" 0603#1 13051.16,330.72 r270 bottom (schematic designator R23)
R23H "133R" 0603#1 14610.21,330.72 r270 bottom (schematic designator R23)
R23I "133R" 0603#1 16182.14,330.72 r270 bottom (schematic designator R23)
R24A "133R" 0603#1 3090.57,840.87 r270 top (schematic designator R24)
R24B "133R" 0603#1 4650.02,842.52 r270 top (schematic designator R24)
R24C "133R" 0603#1 6213.01,842.53 r270 top (schematic designator R24)
R24D "133R" 0603#1 7776,846.46 r270 top (schematic designator R24)
R24E "133R" 0603#1 9342.93,850.4 r270 top (schematic designator R24)
R24F "133R" 0603#1 10909.43,842.53 r270 top (schematic designator R24)
R24G "133R" 0603#1 12472.42,842.53 r270 top (schematic designator R24)
R24H "133R" 0603#1 14043.28,834.65 r270 top (schematic designator R24)
R24I "133R" 0603#1 15603.4,830.72 r270 top (schematic designator R24)
R25A "133R" 0603#1 3094.5,707.01 r270 top (schematic designator R25)
R25B "133R" 0603#1 4653.95,712.6 r270 top (schematic designator R25)
R25C "133R" 0603#1 6216.94,708.67 r270 top (schematic designator R25)
R25D "133R" 0603#1 7779.94,712.61 r270 top (schematic designator R25)
R25E "133R" 0603#1 9342.93,712.61 r270 top (schematic designator R25)
R25F "133R" 0603#1 10913.36,712.61 r270 top (schematic designator R25)
R25G "133R" 0603#1 12476.35,704.73 r270 top (schematic designator R25)
R25H "133R" 0603#1 14043.28,700.8 r270 top (schematic designator R25)
R25I "133R" 0603#1 15603.4,712.61 r270 top (schematic designator R25)
R26A "4K7" 0603#1 3590.35,889.37 r270 bottom (schematic designator R26)
R26B "4K7" 0603#1 5151.81,891.02 r270 bottom (schematic designator R26)
R26C "4K7" 0603#1 6716.81,891.03 r270 bottom (schematic designator R26)
R26D "4K7" 0603#1 8281.81,891.03 r270 bottom (schematic designator R26)
R26E "4K7" 0603#1 9846.81,891.03 r270 bottom (schematic designator R26)
R26F "4K7" 0603#1 11411.38,891.03 r270 bottom (schematic designator R26)
R26G "4K7" 0603#1 12976.38,891.03 r270 bottom (schematic designator R26)
R26H "4K7" 0603#1 14541.38,891.03 r270 bottom (schematic designator R26)
R26I "4K7" 0603#1 16106.38,891.03 r270 bottom (schematic designator R26)
R27A "4K7" 0603#1 3440.35,889.37 r270 bottom (schematic designator R27)
R27B "4K7" 0603#1 5001.81,891.02 r270 bottom (schematic designator R27)
R27C "4K7" 0603#1 6566.81,891.03 r270 bottom (schematic designator R27)
R27D "4K7" 0603#1 8131.81,891.03 r270 bottom (schematic designator R27)
R27E "4K7" 0603#1 9696.81,891.03 r270 bottom (schematic designator R27)
R27F "4K7" 0603#1 11261.38,891.03 r270 bottom (schematic designator R27)
R27G "4K7" 0603#1 12826.38,891.03 r270 bottom (schematic designator R27)
R27H "4K7" 0603#1 14391.38,891.03 r270 bottom (schematic designator R27)
R27I "4K7" 0603#1 15956.38,891.03 r270 bottom (schematic designator R27)
R28A "0R" 0603#1 3515.35,889.37 r90 bottom (schematic designator R28)
R28B "0R" 0603#1 5076.81,891.02 r90 bottom (schematic designator R28)
R28C "0R" 0603#1 6641.81,891.03 r90 bottom (schematic designator R28)
R28D "0R" 0603#1 8206.81,891.03 r90 bottom (schematic designator R28)
R28E "0R" 0603#1 9771.81,891.03 r90 bottom (schematic designator R28)
R28F "0R" 0603#1 11336.38,891.03 r90 bottom (schematic designator R28)
R28G "0R" 0603#1 12901.38,891.03 r90 bottom (schematic designator R28)
R28H "0R" 0603#1 14466.38,891.03 r90 bottom (schematic designator R28)
R28I "0R" 0603#1 16031.38,891.03 r90 bottom (schematic designator R28)
R29A "4K7" 0603#1 3290.35,889.37 r270 bottom (schematic designator R29)
R29B "4K7" 0603#1 4851.81,891.02 r270 bottom (schematic designator R29)
R29C "4K7" 0603#1 6416.81,891.03 r270 bottom (schematic designator R29)
R29D "4K7" 0603#1 7981.81,891.03 r270 bottom (schematic designator R29)
R29E "4K7" 0603#1 9546.81,891.03 r270 bottom (schematic designator R29)
R29F "4K7" 0603#1 11111.38,891.03 r270 bottom (schematic designator R29)
R29G "4K7" 0603#1 12676.38,891.03 r270 bottom (schematic designator R29)
R29H "4K7" 0603#1 14241.38,891.03 r270 bottom (schematic designator R29)
R29I "4K7" 0603#1 15806.38,891.03 r270 bottom (schematic designator R29)
R30A "4K7" 0603#1 3365.35,889.37 r270 bottom (schematic designator R30)
R30B "4K7" 0603#1 4926.81,891.02 r270 bottom (schematic designator R30)
R30C "4K7" 0603#1 6491.81,891.03 r270 bottom (schematic designator R30)
R30D "4K7" 0603#1 8056.81,891.03 r270 bottom (schematic designator R30)
R30E "4K7" 0603#1 9621.81,891.03 r270 bottom (schematic designator R30)
R30F "4K7" 0603#1 11186.38,891.03 r270 bottom (schematic designator R30)
R30G "4K7" 0603#1 12751.38,891.03 r270 bottom (schematic designator R30)
R30H "4K7" 0603#1 14316.38,891.03 r270 bottom (schematic designator R30)
R30I "4K7" 0603#1 15881.38,891.03 r270 bottom (schematic designator R30)
R31 "4K7" 0603#1 3952,7872 r180 top
R32 "4K7" 0603#1 3546.44,7711.66 r270 top
R33 "49R9" 0603#1 3546.44,7837.65 r270 top
R34 "133R" 0603#1 3483.45,7837.65 r90 top
R35 "10K" 0603#1 6399.2,6192.87 r270 top
R36 "54K9" 0603#1 6324.2,6192.87 r270 top
R37 "10K" 0603#1 5834.2,6197.87 r180 top
R38 "33K" 0603#2 6398,6322 r270 top
R39 "0R" 0603#1 5864.2,6312.87 r90 top
R40 "10K" 0603#1 6468,6264 r90 top
R41 "o.c." 0603#1 5799.2,6312.87 r270 top
R42 "10K" 0603#1 6098.83,6360.94 r0 bottom
R43 "4K7" 0603#1 2857,7707 r180 top
R44 "133R" 0603#1 2737,7836 r90 top
R45 "49R9" 0603#1 2795,7835 r270 top
R46 "4K7" 0603#1 2744,8017 r90 top
R47 "4K7" 0603#1 3496,8018 r90 top
R48 "133R" 0603#1 789,383 r270 top
R49 "133R" 0603#1 944,362 r270 top
R50 "4K7" 0603#1 1199,947 r90 top
R51 "4K7" 0603#1 1271,949 r90 top
R52 "4K7" 0603#1 1338,950 r90 top
R53 "133R" 0603#1 354,321 r270 top
R54 "133R" 0603#1 524,420 r270 top
R55 "133R" 0603#1 584,355 r270 top
R56 "133R" 0603#1 524,294 r270 top
R57 "133R" 0603#1 582,232 r270 top
R58 "133R" 0603#1 522,166 r270 top
R59 "4K7" 0603#1 447,646 r90 top
R60 "4K7" 0603#1 7051,6190 r90 top
R61 "4K7" 0603#1 6027,8199 r180 top
R62 "1R0" CR3225-1210 7219,5927 r270 top
R63 "1R0" CR3225-1210 4005,6625 r90 top
R64 "4K7" 0603#2 7217,6313 r90 top
R65 "4K7" 0603#2 4327,6514 r0 top